# Altium PCB P01-BASE.PcbDoc
Units mm, origin at the board's own origin, x right, y up, seen from the top; angles counter-clockwise.
Board outline 144 x 97.12 mm, 4 copper layers (Top Layer, Mid Layer 1, Mid Layer 2, Bottom Layer), stack 1.57 mm thick; 35 components, 68 nets, 455 pads, 145 vias.
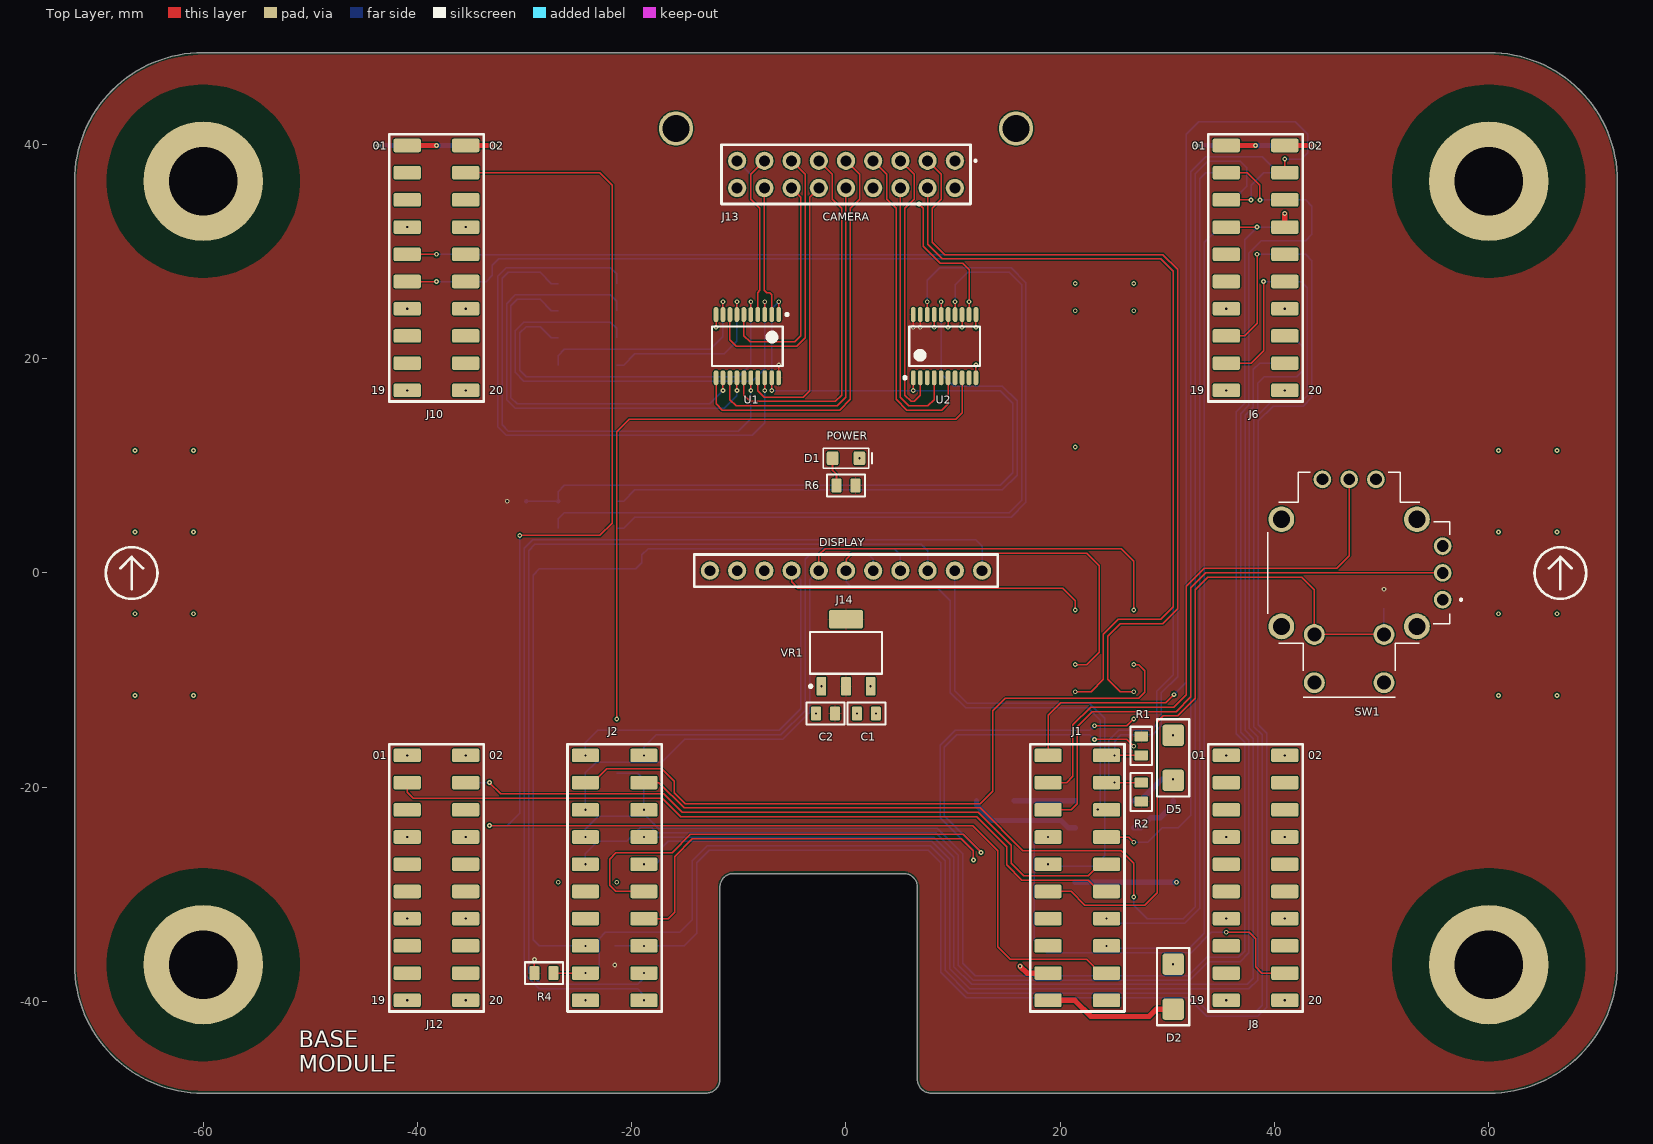
[diagram p0: Top Layer view]
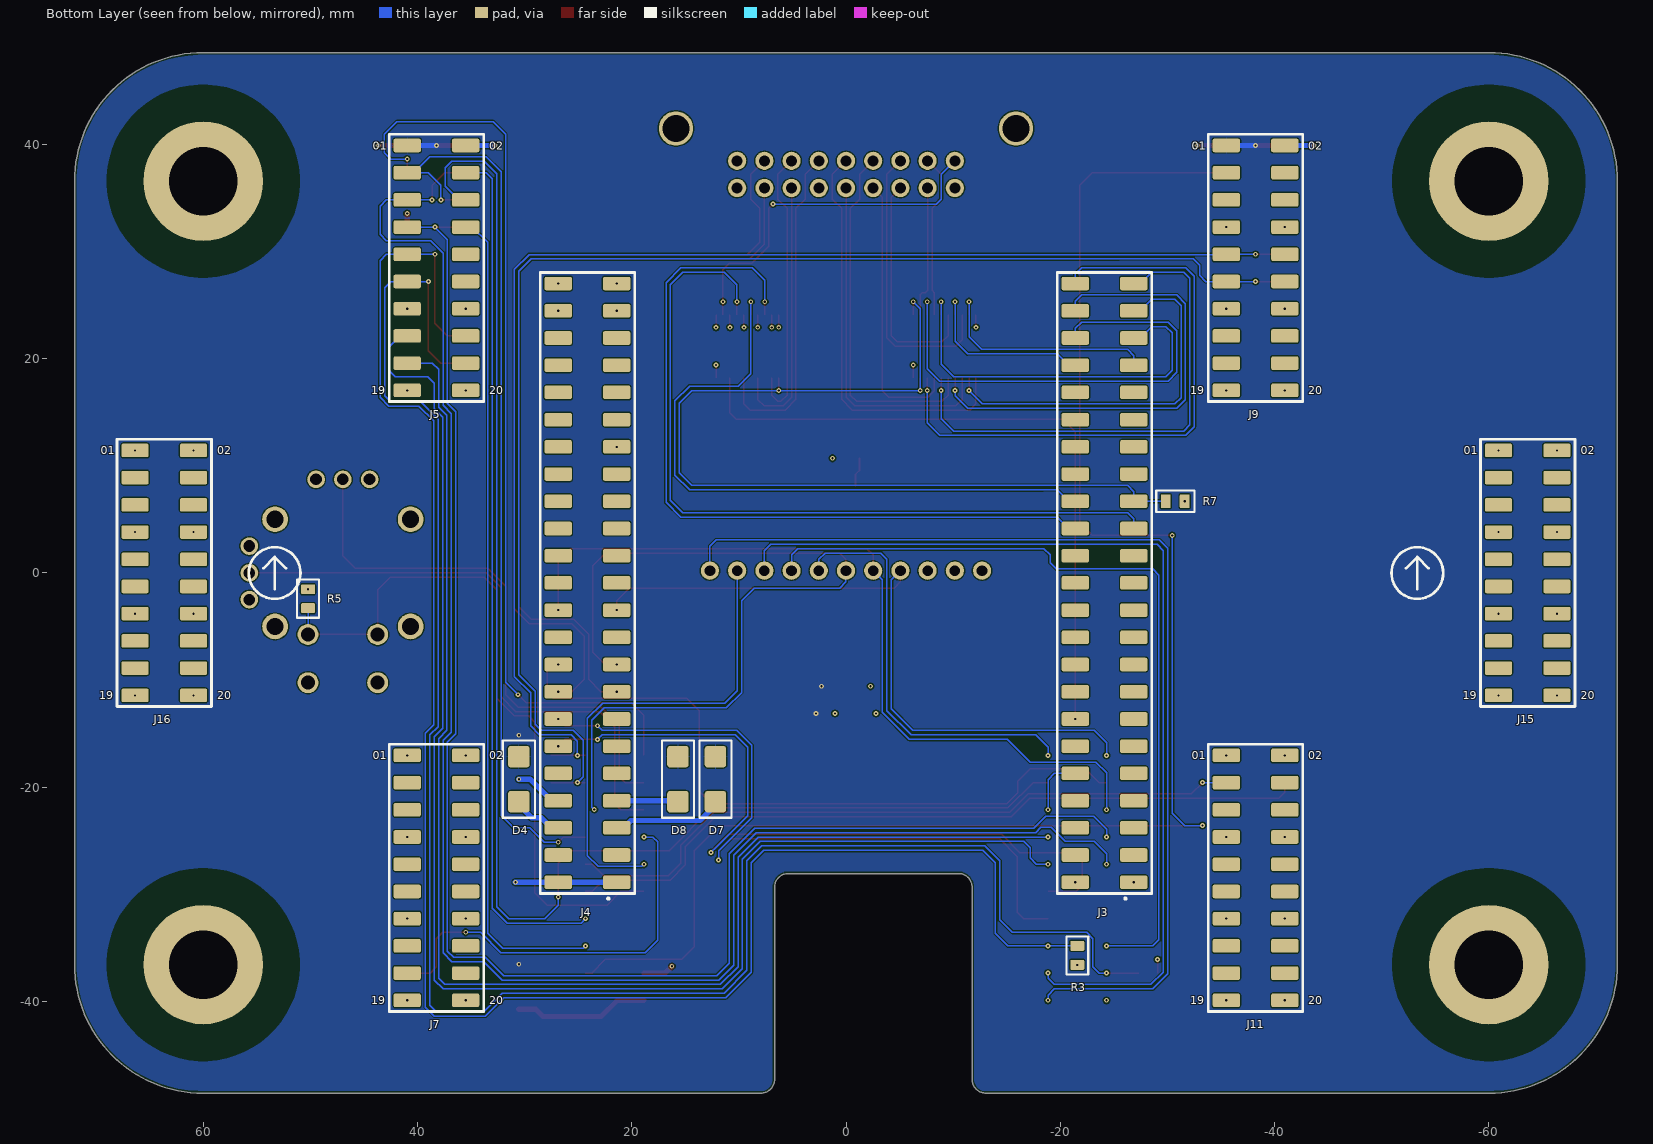
[diagram p1: Bottom Layer view, seen from below]
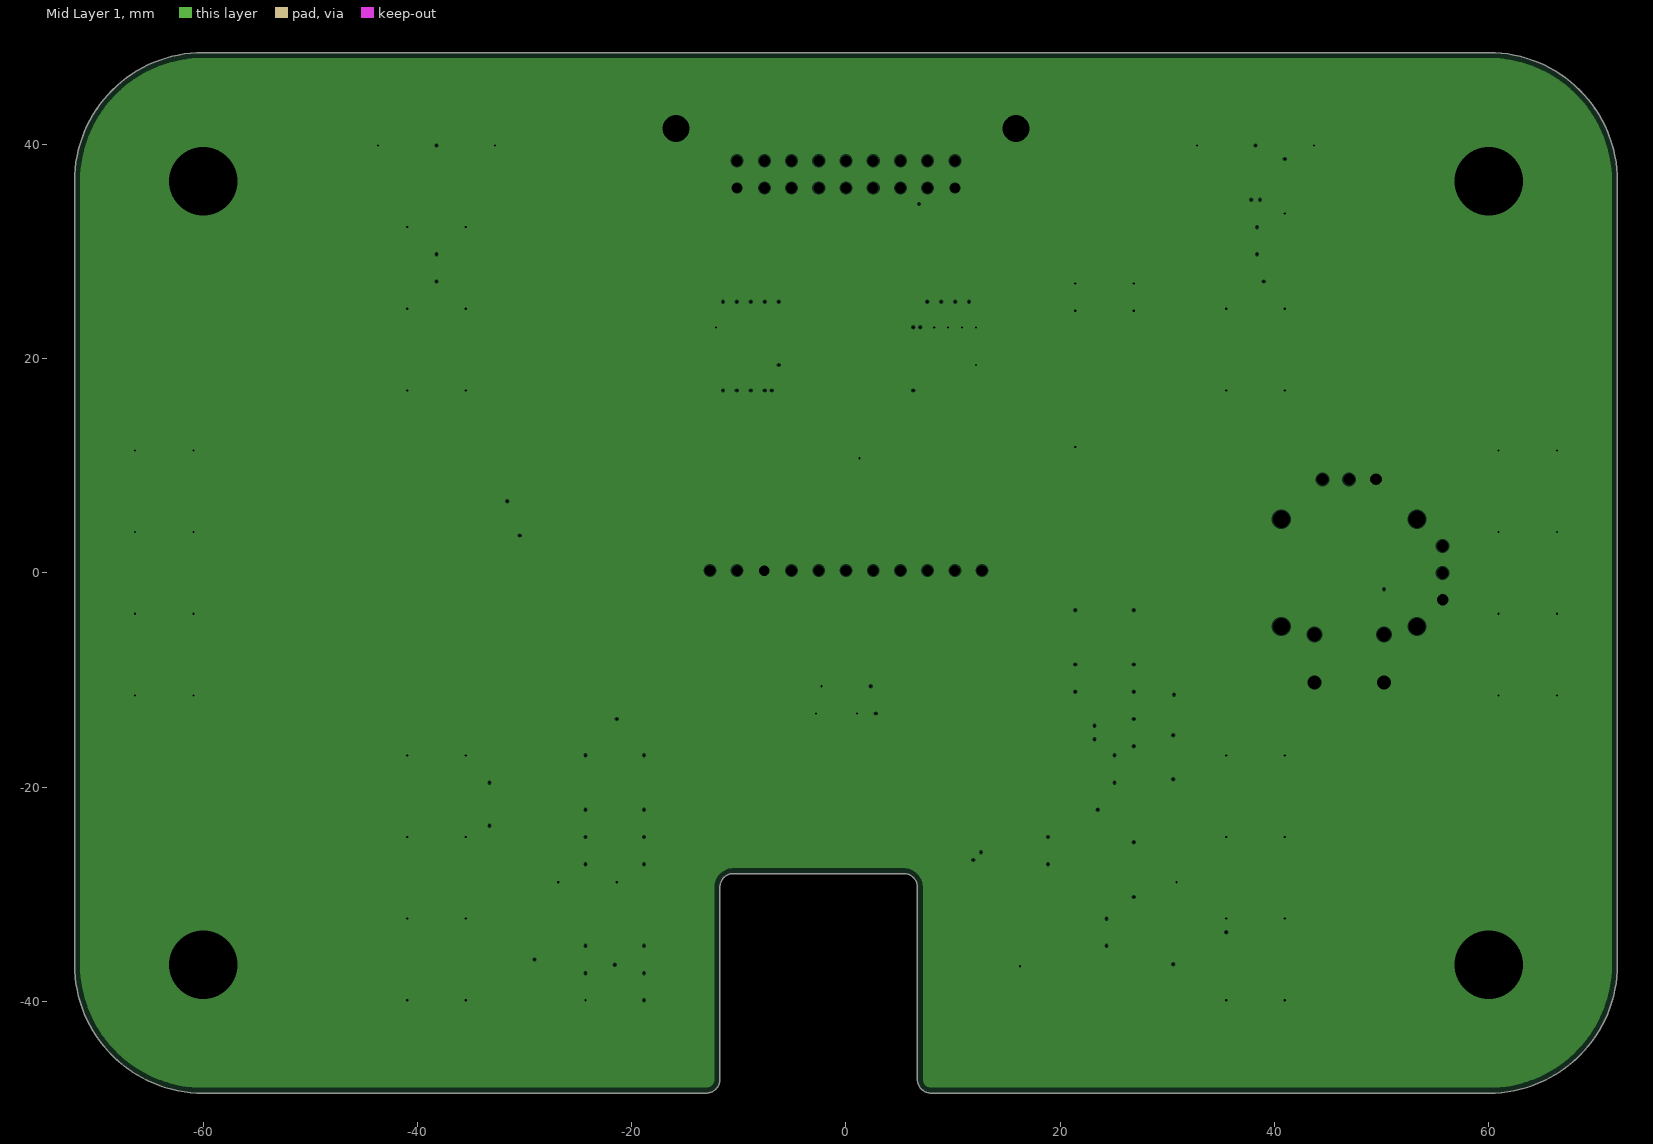
[diagram p2: Mid Layer 1, clearances drawn from the general rule]
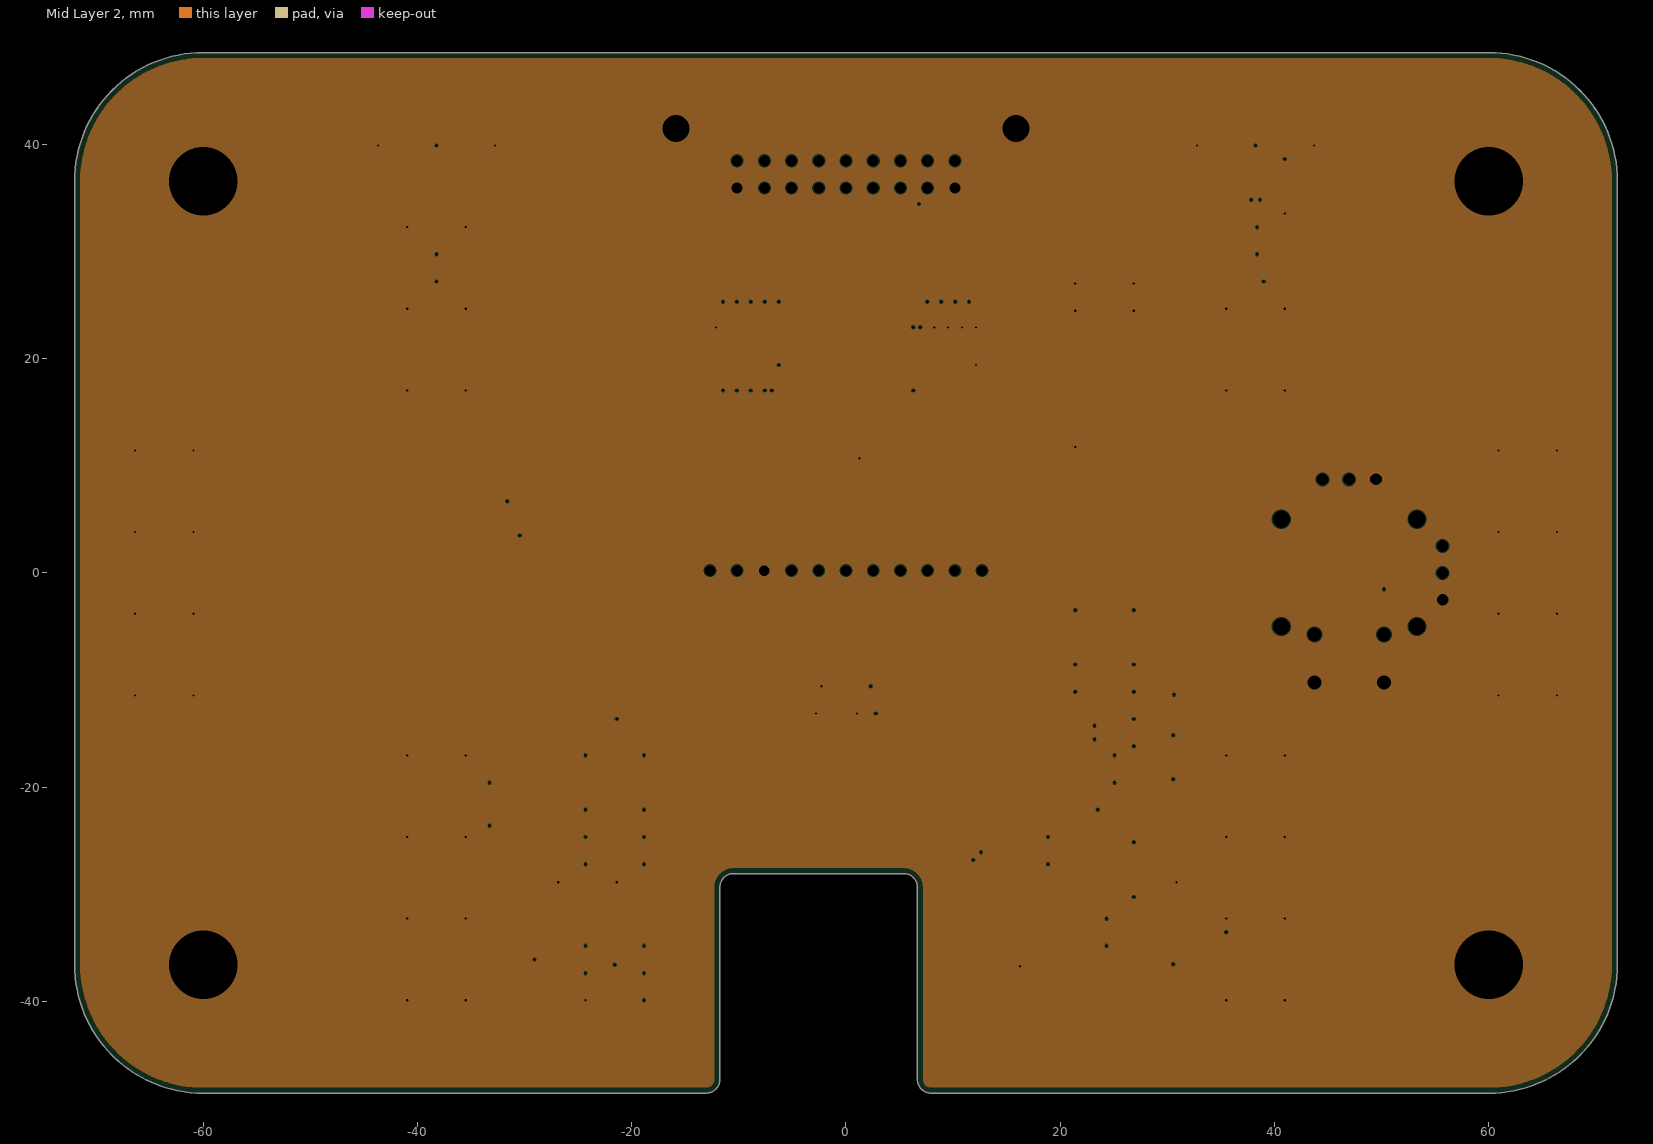
[diagram p3: Mid Layer 2, clearances drawn from the general rule]
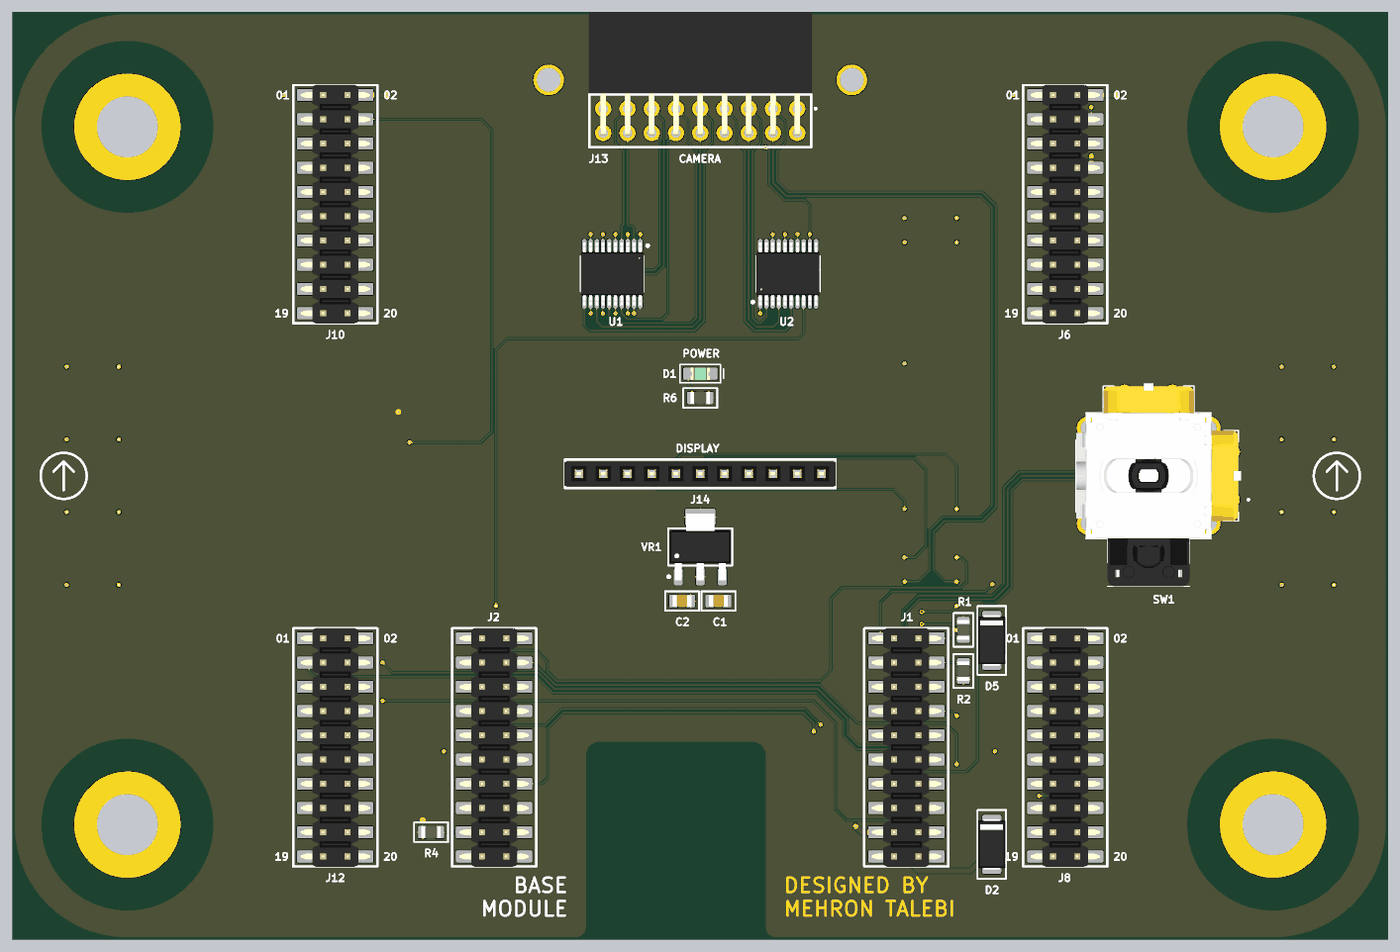
[diagram p4: 3D render of the assembled board from above, using the file's embedded part models]
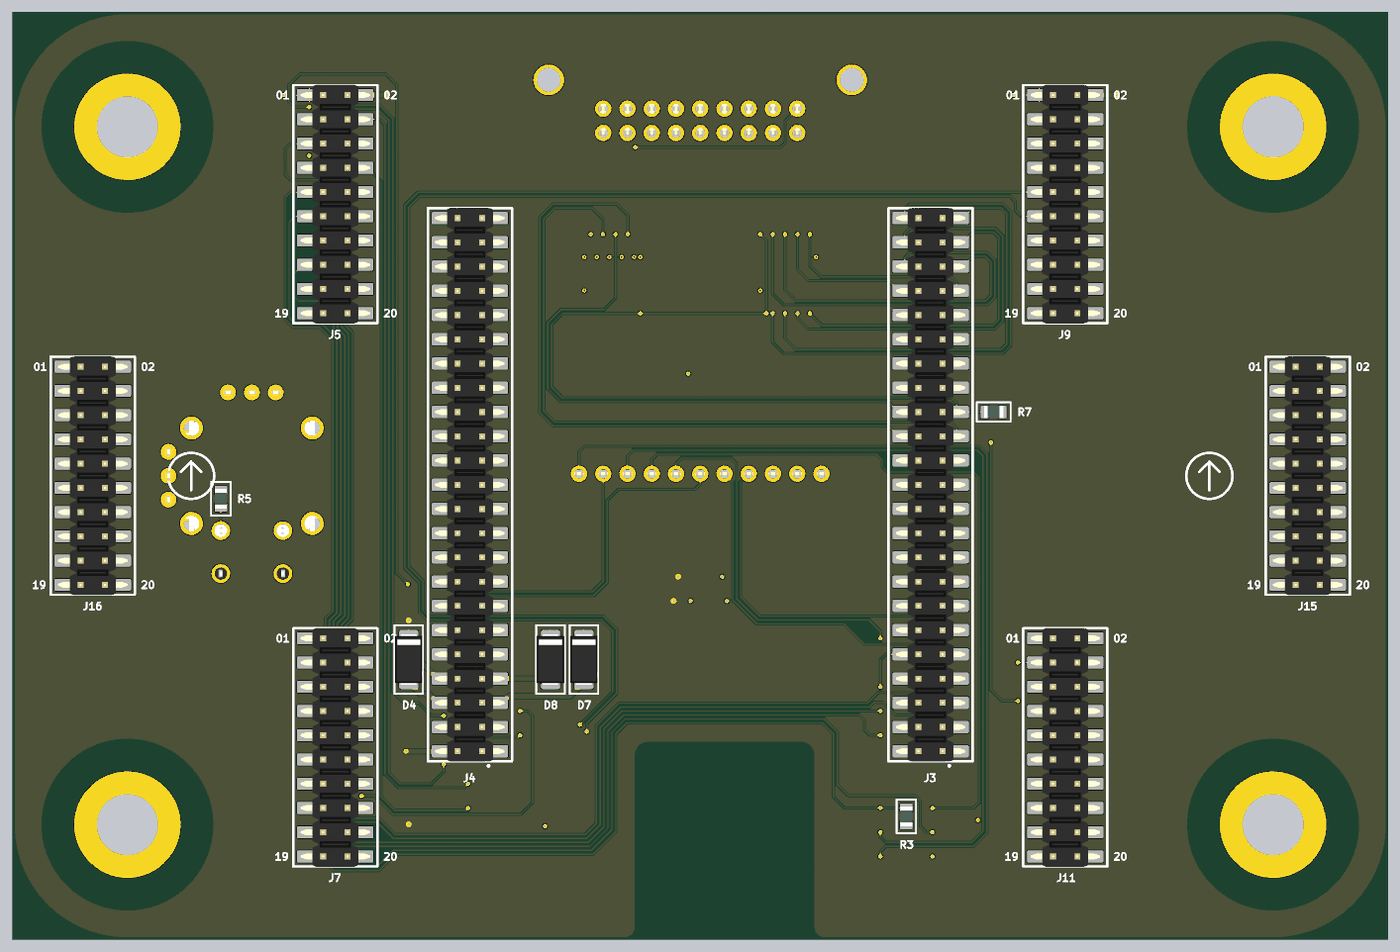
[diagram p5: 3D render of the assembled board from below, using the file's embedded part models]

## Layer stack, top to bottom
Top Solder: solder mask 0.0127, Solder Resist, Dk 3.8
Top Layer: signal copper 0.035
Dielectric 1: prepreg 0.1, 2313, Dk 4.05
Mid Layer 1: plane copper 0.0175, net GND
Core: core 1.265, FR-4, Dk 4.5
Mid Layer 2: plane copper 0.0175, net GND
Dielectric 2: prepreg 0.1, 2313, Dk 4.05
Bottom Layer: signal copper 0.035
Bottom Solder: solder mask 0.0127, Solder Resist, Dk 3.8

## Board outline
-60,-48.562 -13.043,-48.561 ccw(c-13.043,-47.292) -11.773,-47.292 -11.773,-29.334 cw(c-10.503,-29.334) -10.503,-28.064 5.398,-28.064 cw(c5.398,-29.334) 6.667,-29.334 6.668,-47.291 ccw(c7.938,-47.292) 7.938,-48.562 25.4,-48.562 60,-48.561 ccw(c60,-36.561) 72,-36.561 72,36.561 ccw(c60,36.561) 60,48.562 -60,48.562 ccw(c-60,36.562) -72,36.561 -72,-36.562 ccw(c-60,-36.562)

## Design rules (kind name [scope] priority, off if disabled: settings)
BoardOutlineClearance [All] p1: gap=0.2 ignorepadtopadclearanceinfootprint=FALSE
Clearance [All] p1: gap=0.102 ignorepadtopadclearanceinfootprint=TRUE except(0.127: Arc-Via Track-Via SMDPad-Via THPad-Via Via-Via Via-Fill Via-Poly Via-Region Via-Text; 0.25: Arc-Hole Track-Hole SMDPad-Hole THPad-Hole Via-Hole Fill-Hole Poly-Hole Region-Hole Text-Hole)
ComponentClearance [All] p1: gap=0.102 collisioncheckmode=3 verticalgap=0.102 showdistances=TRUE
DiffPairsRouting [All] p1: maxlimit=0.102 minlimit=0.102 mostfreqgap=0.102 toplayer_minwidth=0.102 toplayer_maxwidth=1816.048 toplayer_prefwidth=0.102 bottomlayer_minwidth=0.102 bottomlayer_maxwidth=1816.048 bottomlayer_prefwidth=0.102 maxuncoupledlength=12.7
Height [All] p1: minheight=0 maxheight=1816.048 prefheight=12.7
HoleSize [All] p1: absolutevalues=TRUE maxlimit=6.3 minlimit=0.2 maxpercent=80.000 minpercent=20.000
HoleToHoleClearance [All] p1: gap=0.25 allowstackedmicrovias=FALSE
MinimumAnnularRing [All] p1: minimumring=0.076
MinimumSolderMaskSliver [All] p1: minsoldermaskwidth=0
PlaneClearance [All] p1: clearance=0.102
PlaneConnect PlaneConnectPowerPads [InPadClass('PowerPads')] p1: planeconnectstyle=Direct reliefexpansion=0.508 reliefentries=4 reliefconductorwidth=0.254 reliefairgap=0.254
PlaneConnect [All] p2: pad.planeconnectstyle=Relief pad.reliefexpansion=0.3 pad.reliefentries=4 pad.reliefconductorwidth=0.102 pad.reliefairgap=0.102 via.planeconnectstyle=Direct via.reliefexpansion=0.3 via.reliefentries=4 via.reliefconductorwidth=0.127 via.reliefairgap=0.127
PolygonConnect PolygonConnectPowerPads [All vs (InPadClass('PowerPads'))] p1: connectstyle=Direct reliefconductorwidth=0.254 reliefentries=4 polygonreliefangle="90 Angle" airgapwidth=0.254
PolygonConnect [All] p2: thpad.connectstyle=Relief thpad.reliefconductorwidth=0.102 thpad.reliefentries=4 thpad.polygonreliefangle="90 Angle" thpad.airgapwidth=0.102 smdpad.connectstyle=Relief smdpad.reliefconductorwidth=0.102 smdpad.reliefentries=4 smdpad.polygonreliefangle="90 Angle" smdpad.airgapwidth=0.102 via.connectstyle=Direct via.reliefconductorwidth=0.127 via.reliefentries=4 via.polygonreliefangle="90 Angle" via.airgapwidth=0.127
RoutingTopology [All] p1: topology=Daisy_Balanced
RoutingVias [All] p1: holewidth=0.2 width=0.45 viastyle="Through Hole" minholewidth=0.2 minwidth=0.45 maxholewidth=6.3 maxwidth=6.55
SilkToSilkClearance [All] p1: silktosilkclearance=0
SilkToSolderMaskClearance [IsPad] p1: minsilkscreentomaskgap=0.102 clearancetoexposedcopper=TRUE
SolderMaskExpansion [All] p1: expansion=0.075 istentingtop=FALSE
Width [All] p1: maxlimit=1816.048 minlimit=0.102 preferedwidth=0.381
19 further rules are at their usual default settings.

## Classes and differential pairs
component class S03-BEAGLEBONE: C1 C2 D1 R6 U1 U2 VR1
component class S06-PERIPHERALS: J13 J14 R5 SW1
component class S05-INTERFACES: J9 J10 J11 J12 J16
component class S04-INTERFACES: J5 J6 J7 J8 J15
component class S02-BEAGLEBONE: D4 D5 D7 D8 J3 J4 R7
component class S01-LAUNCHPAD: D2 J1 J2 R1 R2 R3 R4

## Components (designator, comment, footprint, x,y, rotation, side; value= is the part's Value field where it differs from the comment)
C1 "1.0UF" CL21B105KAFNFNE 1.901,-13.128 r0 top locked
C2 "1.0UF" CL21B105KAFNFNE -1.909,-13.128 r0 top locked
D1 "LTST-C171GKT" LTST-C171GKT 0,10.699 r180 top locked
D2 "RBR5L30BDDTE25" RBR5L30BDDTE25 30.536,-38.624 r270 top locked
D4 "RBR5L30BDDTE25" RBR5L30BDDTE25 30.536,-19.257 r270 bottom locked
D5 "RBR5L30BDDTE25" RBR5L30BDDTE25 30.536,-17.257 r270 top locked
D7 "RBR5L30BDDTE25" RBR5L30BDDTE25 12.184,-19.257 r270 bottom locked
D8 "RBR5L30BDDTE25" RBR5L30BDDTE25 15.684,-19.257 r270 bottom locked
J1 "95278-101-20LF" 95278-101-20LF 21.59,-28.464 r90 top locked
J2 "95278-101-20LF" 95278-101-20LF -21.59,-28.464 r90 top locked
J3 "95278-101-46LF" 95278-101-46LF -24.13,-0.937 r90 bottom locked
J4 "95278-101-46LF" 95278-101-46LF 24.13,-0.937 r90 bottom locked
J5 "95278-101-20LF" 95278-101-20LF 38.227,28.464 r270 bottom locked
J6 "95278-101-20LF" 95278-101-20LF 38.227,28.464 r270 top locked
J7 "95278-101-20LF" 95278-101-20LF 38.227,-28.464 r270 bottom locked
J8 "95278-101-20LF" 95278-101-20LF 38.227,-28.464 r270 top locked
J9 "95278-101-20LF" 95278-101-20LF -38.227,28.464 r270 bottom locked
J10 "95278-101-20LF" 95278-101-20LF -38.227,28.464 r270 top locked
J11 "95278-101-20LF" 95278-101-20LF -38.227,-28.464 r270 bottom locked
J12 "95278-101-20LF" 95278-101-20LF -38.227,-28.464 r270 top locked
J13 "PPPC092LJBN-RC" PPPC092LJBN-RC 0,37.192 r180 top locked
J14 "PPPC111LFBN-RC" PPPC111LFBN-RC 0,0.207 r0 top locked
J15 "95278-101-20LF" 95278-101-20LF -63.626,0 r270 bottom locked
J16 "95278-101-20LF" 95278-101-20LF 63.626,0 r270 bottom locked
R1 "2K2" RC0805FR-072K2L 27.559,-16.149 r90 top locked
R2 "2K2" RC0805FR-072K2L 27.559,-20.459 r270 top locked
R3 "2K2" RC0805FR-072K2L -21.59,-35.699 r270 bottom locked
R4 "2K2" RC0805FR-072K2L -28.19,-37.354 r180 top locked
R5 "10K0" RC0805FR-0710KL 50.211,-2.413 r90 bottom locked
R6 "330R0" RC0805FR-7W330RL 0,8.159 r0 top locked
R7 "10K0" RC0805FR-0710KL -30.73,6.683 r180 bottom
SW1 "THB001P" THB001P 46.961,0 r0 top locked
U1 "74LVC244APW" 74LVC244APW -9.207,21.161 r270 top locked
U2 "74LVC244APW" 74LVC244APW 9.208,21.161 r90 top locked
VR1 "TLV1117LV33DCYR" TLV1117LV33DCYR 0,-7.459 r90 top locked

## Footprints (in the part's own frame and the unit in brackets; to place one, negate y for a bottom-side part, rotate by r counter-clockwise, add the part's x,y. Pads: shape width x height; smd on the part's side, far side on the other; paste and mask are expansions set on the pad)
74LVC244APW [mm] "IC BUF NON-INVERT 3.6V 20TSSOP"
  oval 1.4x0.45 smd: 1(-2.95,2.925) 2(-2.95,2.275) 3(-2.95,1.625) 4(-2.95,0.975) 5(-2.95,0.325) 6(-2.95,-0.325) 7(-2.95,-0.975) 8(-2.95,-1.625) 9(-2.95,-2.275) 10(-2.95,-2.925) 11(2.95,-2.925) 12(2.95,-2.275) 13(2.95,-1.625) 14(2.95,-0.975) 15(2.95,-0.325) 16(2.95,0.325) 17(2.95,0.975) 18(2.95,1.625) 19(2.95,2.275) 20(2.95,2.925)
  silkscreen extent -3.07,-3.3 1.85,3.83, body extent -3.3,-3.3 3.3,3.3, height 1.09
95278-101-20LF [mm] "CONN HEADER SMD 20POS 2.54MM"
  rrect25% 1.27x2.54 smd: 1(-11.43,-2.73) 2(-11.43,2.73) 3(-8.89,-2.73) 4(-8.89,2.73) 5(-6.35,-2.73) 6(-6.35,2.73) 7(-3.81,-2.73) 8(-3.81,2.73) 9(-1.27,-2.73) 10(-1.27,2.73) 11(1.27,-2.73) 12(1.27,2.73) 13(3.81,-2.73) 14(3.81,2.73) 15(6.35,-2.73) 16(6.35,2.73) 17(8.89,-2.73) 18(8.89,2.73) 19(11.43,-2.73) 20(11.43,2.73)
  silkscreen extent -12.47,-4.41 12.47,4.41, body extent -12.5,-3.64 12.5,3.65, height 9.66
95278-101-46LF [mm] "CONN HEADER SMD 46POS 2.54MM"
  rrect25% 1.27x2.54 smd: 1(-27.94,-2.73) 2(-27.94,2.73) 3(-25.4,-2.73) 4(-25.4,2.73) 5(-22.86,-2.73) 6(-22.86,2.73) 7(-20.32,-2.73) 8(-20.32,2.73) 9(-17.78,-2.73) 10(-17.78,2.73) 11(-15.24,-2.73) 12(-15.24,2.73) 13(-12.7,-2.73) 14(-12.7,2.73) 15(-10.16,-2.73) 16(-10.16,2.73) 17(-7.62,-2.73) 18(-7.62,2.73) 19(-5.08,-2.73) 20(-5.08,2.73) 21(-2.54,-2.73) 22(-2.54,2.73) 23(0,-2.73) 24(0,2.73) 25(2.54,-2.73) 26(2.54,2.73) 27(5.08,-2.73) 28(5.08,2.73) 29(7.62,-2.73) 30(7.62,2.73) 31(10.16,-2.73) 32(10.16,2.73) 33(12.7,-2.73) 34(12.7,2.73) 35(15.24,-2.73) 36(15.24,2.73) 37(17.78,-2.73) 38(17.78,2.73) 39(20.32,-2.73) 40(20.32,2.73) 41(22.86,-2.73) 42(22.86,2.73) 43(25.4,-2.73) 44(25.4,2.73) 45(27.94,-2.73) 46(27.94,2.73)
  silkscreen extent -29.56,-4.41 28.98,4.41, body extent -29.01,-3.64 29.01,3.65, height 9.66
CL21B105KAFNFNE [mm] "CAP CER 1UF 25V X7R 0805"
  rrect25% 0.93x1.3 smd: 1(-0.885,0) 2(0.885,0)
  silkscreen extent -1.77,-1.02 1.78,1.02, body extent -1,-0.62 1,0.63, height 1.35
LTST-C171GKT [mm] "LED GREEN CLEAR CHIP SMD"
  rrect25% 1.1x1.25 smd: A(1.25,0) K(-1.25,0)
  silkscreen extent -2.43,-0.95 2.13,0.95, body extent -1,-0.65 1,0.65, height 0.9
PPPC092LJBN-RC [mm] "CONN HDR 18POS 0.1 GOLD PCB R/A"
  round 1.7 hole 1.02: 1(-10.16,-1.27) 2(-10.16,1.27) 3(-7.62,-1.27) 4(-7.62,1.27) 5(-5.08,-1.27) 6(-5.08,1.27) 7(-2.54,-1.27) 8(-2.54,1.27) 9(0,-1.27) 10(0,1.27) 11(2.54,-1.27) 12(2.54,1.27) 13(5.08,-1.27) 14(5.08,1.27) 15(7.62,-1.27) 16(7.62,1.27) 17(10.16,-1.27) 18(10.16,1.27)
  silkscreen extent -12.18,-2.77 11.63,2.77, body extent -11.68,-11.37 11.68,1.47, height 5.08
PPPC111LFBN-RC [mm] "CONN HDR 11POS 0.1 GOLD PCB"
  round 1.7 hole 1: 1(-12.7,0) 2(-10.16,0) 3(-7.62,0) 4(-5.08,0) 5(-2.54,0) 6(0,0) 7(2.54,0) 8(5.08,0) 9(7.62,0) 10(10.16,0) 11(12.7,0)
  silkscreen extent -14.17,-1.5 14.17,1.5, body extent -14.23,-1.27 14.22,1.27, height 8.5
RBR5L30BDDTE25 [mm] "DIODE SCHOTTKY 30V 5A PMDS"
  rrect25% 2x2 smd: A(2.1,0) K(-2.1,0)
  silkscreen extent -3.6,-1.5 3.6,1.5, body extent -2.65,-1.45 2.65,1.45, height 2.49
RC0805FR-7W330RL [mm] "RES 330 OHM 1% 1/4W 0805"
  rrect25% 0.93x1.3 smd: 1(-0.885,0) 2(0.885,0)
  silkscreen extent -1.77,-1.02 1.78,1.02, body extent -1.02,-0.63 1.02,0.63, height 0.64
RC0805FR-072K2L [mm] "RES 2.2K OHM 1% 1/8W 0805"
  rrect25% 0.93x1.3 smd: 1(-0.885,0) 2(0.885,0)
  silkscreen extent -1.77,-1.02 1.78,1.02, body extent -1.01,-0.63 1.02,0.64, height 0.64
RC0805FR-0710KL [mm] "RES 10K OHM 1% 1/8W 0805"
  rrect25% 0.93x1.3 smd: 1(-0.885,0) 2(0.885,0)
  silkscreen extent -1.77,-1.02 1.78,1.02, body extent -1.02,-0.64 1.01,0.63, height 0.64
THB001P [mm] "THUMBSTICK DUAL AXIS W/MOM PB"
  round 1.95 hole 1.3: 1S(-3.25,-5.75) 1S(3.25,-5.75) 2S(-3.25,-10.25) 2S(3.25,-10.25)
  round 1.65 hole 1.1: 1X(2.5,8.73) 1Y(8.73,-2.5) 2X(0,8.73) 2Y(8.73,0) 3X(-2.5,8.73) 3Y(8.73,2.5)
  round 2.4 hole 1.6: S1(6.325,5) S2(-6.325,5) S3(-6.325,-5) S4(6.325,-5)
  silkscreen extent -7.6,-11.6 10.55,9.4, body extent -7.6,-11.6 9.67,9.67, height 19.45
TLV1117LV33DCYR [mm] "IC REG LINEAR 3.3V 1A SOT223-4"